# KiCad board panel.kicad_pcb (continued)
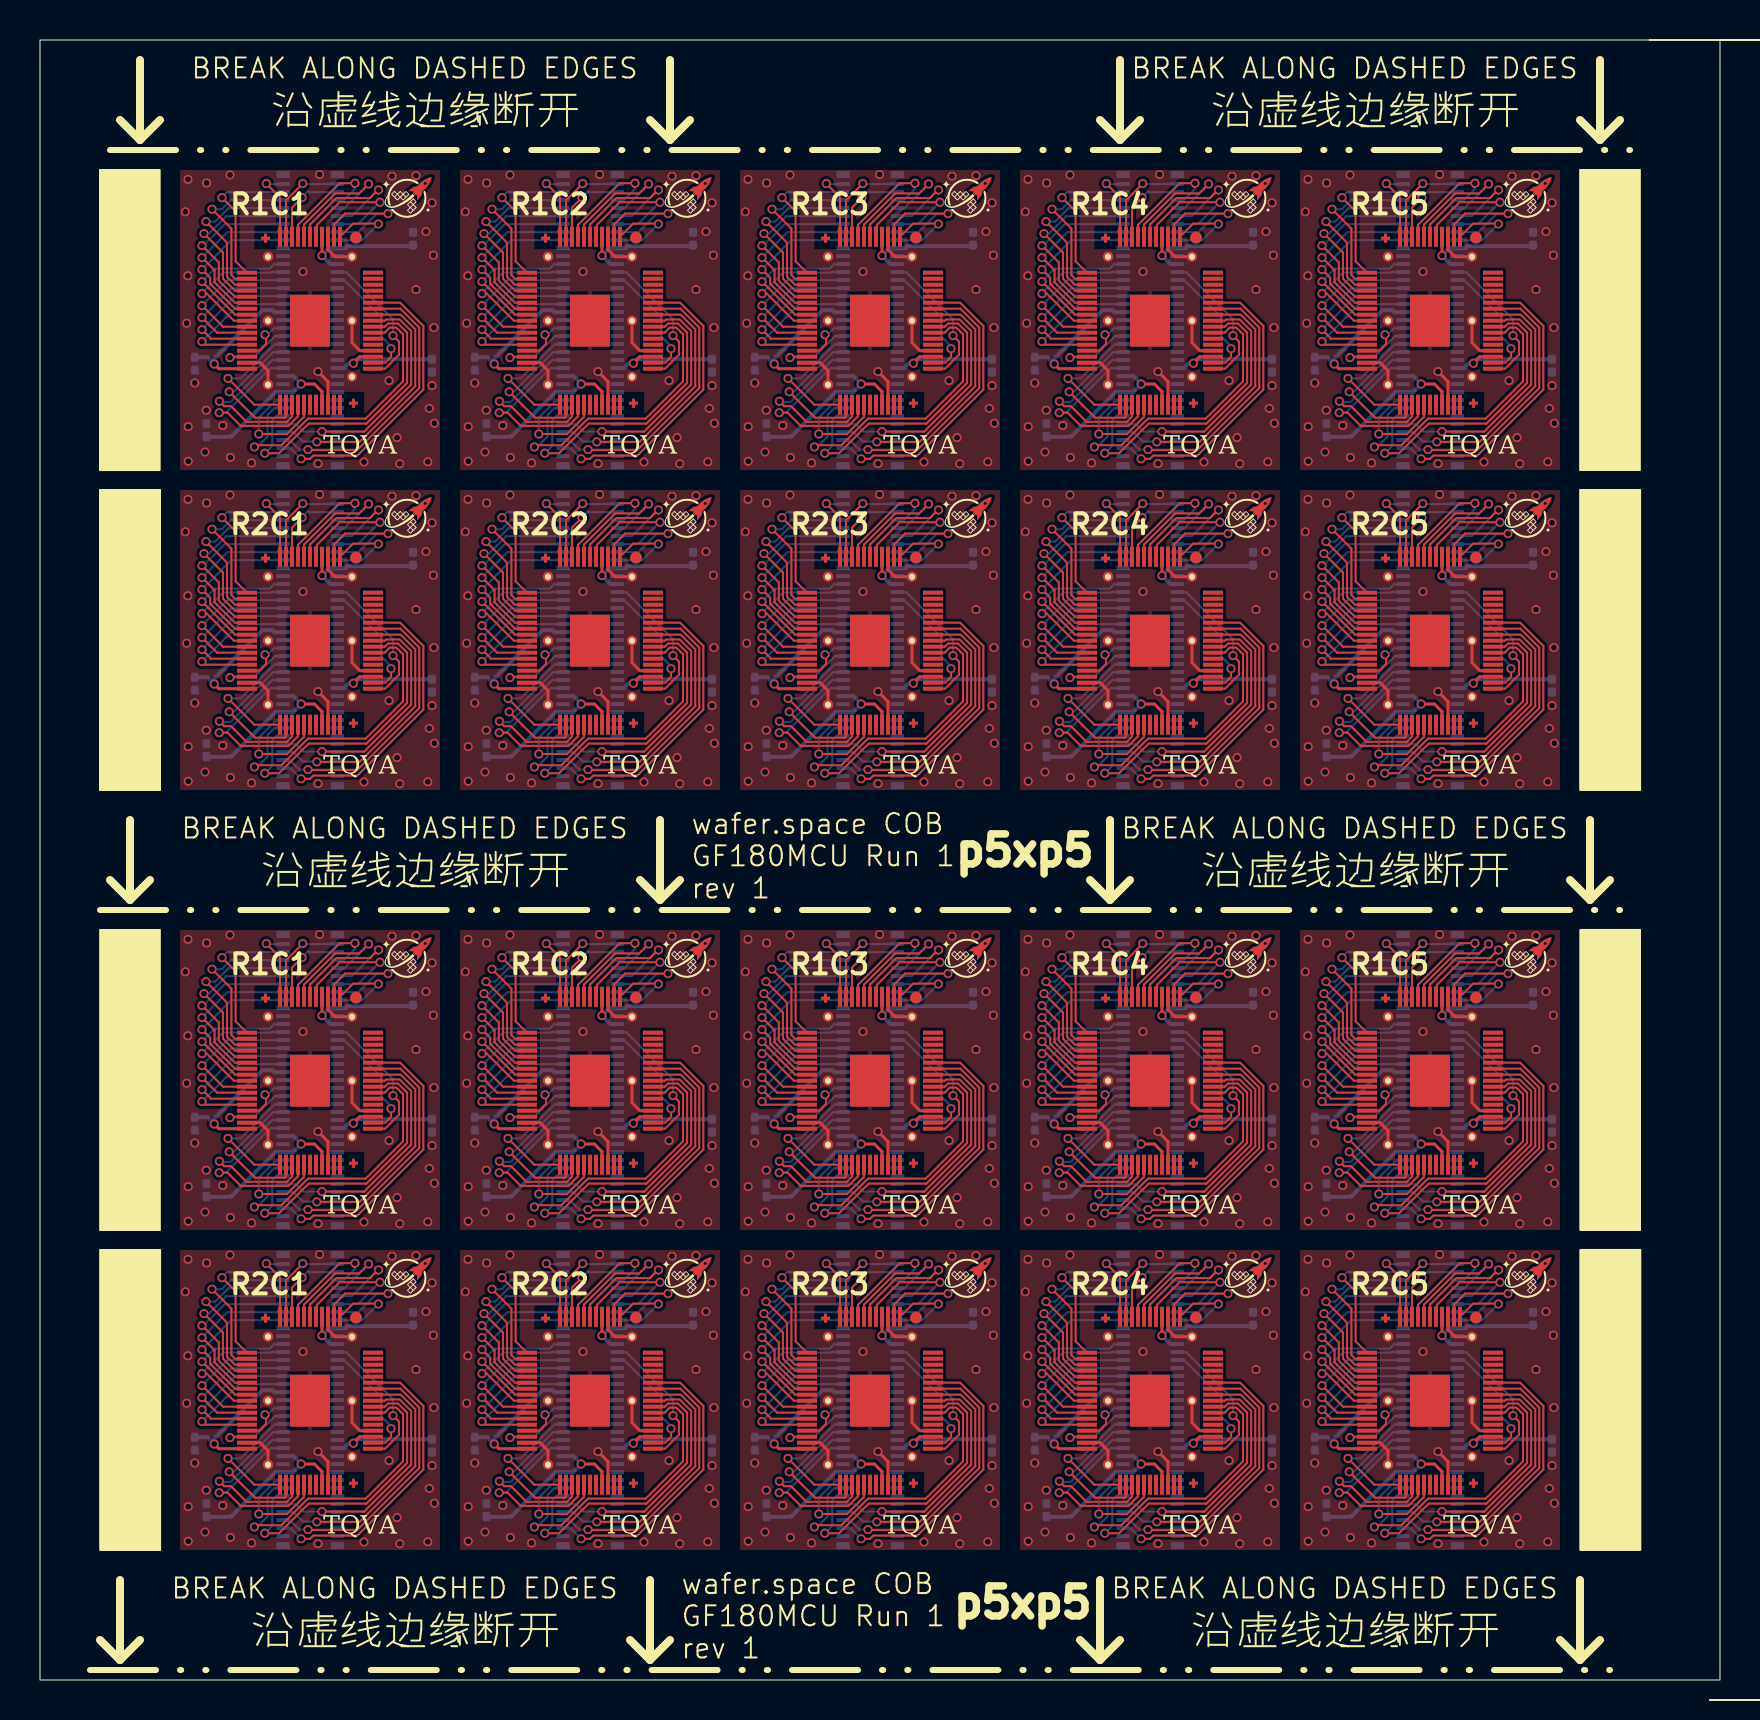
[diagram p0: board, top side]
## Routing (per net, layer and track width the routed paths; a pad name or vN(x,y) marks a point on that pad's centre or on a via; arc(x,y) is an arc through that point) (continued)
/bidir_23: length 150.4
  Top w0.1: v1(9.46,48.41) 10.76,47.11 12.25,47.11 12.3,47.16 U112.30 ; v1(65.46,64.41) 66.76,63.11 68.25,63.11 68.3,63.16 U110#2.30 ; v1(9.46,10.41) 10.76,9.11 12.25,9.11 12.3,9.16 U112#2.30 ; U120.30 68.3,47.16 68.25,47.11 66.76,47.11 v1(65.46,48.41) ; U108#2.30 54.3,63.16 54.25,63.11 52.76,63.11 v1(51.46,64.41) ; U116.30 40.3,47.16 40.25,47.11 38.76,47.11 v1(37.46,48.41) ; v1(23.46,64.41) 24.76,63.11 26.25,63.11 26.3,63.16 U104.30 ; U116#2.30 40.3,9.16 40.25,9.11 38.76,9.11 v1(37.46,10.41) ; U106.30 40.3,25.16 40.25,25.11 38.76,25.11 v1(37.46,26.41) ; v1(51.46,26.41) 52.76,25.11 54.25,25.11 54.3,25.16 U108.30 ; U114#2.30 26.3,47.16 26.25,47.11 24.76,47.11 v1(23.46,48.41) ; U104#2.30 26.3,25.16 26.25,25.11 24.76,25.11 v1(23.46,26.41) ; v1(23.46,10.41) 24.76,9.11 26.25,9.11 26.3,9.16 U114.30 ; v1(51.46,48.41) 52.76,47.11 54.25,47.11 54.3,47.16 U118.30 ; v1(51.46,10.41) 52.76,9.11 54.25,9.11 54.3,9.16 U118#2.30 ; v1(65.46,10.41) 66.76,9.11 68.25,9.11 68.3,9.16 U120#2.30 ; U102.30 12.3,63.16 12.25,63.11 10.76,63.11 v1(9.46,64.41) ; v1(9.46,26.41) 10.76,25.11 12.25,25.11 12.3,25.16 U102#2.30 ; v1(37.46,64.41) 38.76,63.11 40.25,63.11 40.3,63.16 U106#2.30 ; v1(65.46,26.41) 66.76,25.11 68.25,25.11 68.3,25.16 U110.30
  Bottom w0.1: 68.16,12.39 67.66,12.39 65.68,10.41 v1(65.46,10.41) ; v1(9.46,48.41) 9.68,48.41 11.66,50.39 12.15,50.39 ; v1(51.46,26.41) 51.68,26.41 53.66,28.39 54.15,28.39 ; 40.15,50.39 39.66,50.39 37.68,48.41 v1(37.46,48.41) ; 68.16,50.39 67.66,50.39 65.68,48.41 v1(65.46,48.41) ; v1(65.46,26.41) 65.68,26.41 67.66,28.39 68.16,28.39 ; v1(37.46,26.41) 37.68,26.41 39.66,28.39 40.15,28.39 ; v1(51.46,64.41) 51.68,64.41 53.66,66.4 U107.49 ; 12.15,12.39 11.66,12.39 9.68,10.41 v1(9.46,10.41) ; 54.15,12.39 53.66,12.39 51.68,10.41 v1(51.46,10.41) ; v1(37.46,10.41) 37.68,10.41 39.66,12.39 40.15,12.39 ; 26.15,12.39 25.66,12.39 23.68,10.41 v1(23.46,10.41) ; v1(65.46,64.41) 65.68,64.41 67.66,66.4 U109.49 ; v1(23.46,26.41) 23.68,26.41 25.66,28.39 26.15,28.39 ; U101.49 11.66,66.4 9.68,64.41 v1(9.46,64.41) ; v1(9.46,26.41) 9.68,26.41 11.66,28.39 12.15,28.39 ; v1(51.46,48.41) 51.68,48.41 53.66,50.39 54.15,50.39 ; U103.49 25.66,66.4 23.68,64.41 v1(23.46,64.41) ; 26.15,50.39 25.66,50.39 23.68,48.41 v1(23.46,48.41) ; v1(37.46,64.41) 37.68,64.41 39.66,66.4 U105.49
/bidir_24: length 176.6
  Top w0.1: U118#2.31 54.6,9.17 54.34,8.91 52.33,8.91 51.55,9.69 51.22,9.69 v1(50.97,9.94) ; v1(8.97,63.94) 9.22,63.69 9.55,63.69 10.33,62.91 12.34,62.91 12.6,63.17 U102.31 ; v1(8.97,25.94) 9.22,25.69 9.55,25.69 10.33,24.91 12.34,24.91 12.6,25.17 U102#2.31 ; U114.31 26.6,9.17 26.34,8.91 24.33,8.91 23.55,9.69 23.22,9.69 v1(22.97,9.94) ; v1(64.97,25.94) 65.22,25.69 65.55,25.69 66.33,24.91 68.34,24.91 68.6,25.17 U110.31 ; v1(50.97,63.94) 51.22,63.69 51.55,63.69 52.33,62.91 54.34,62.91 54.6,63.17 U108#2.31 ; v1(8.97,47.94) 9.22,47.69 9.55,47.69 10.33,46.91 12.34,46.91 12.6,47.17 U112.31 ; U116#2.31 40.6,9.17 40.34,8.91 38.33,8.91 37.55,9.69 37.22,9.69 v1(36.97,9.94) ; v1(50.97,47.94) 51.22,47.69 51.55,47.69 52.33,46.91 54.34,46.91 54.6,47.17 U118.31 ; v1(36.97,63.94) 37.22,63.69 37.55,63.69 38.33,62.91 40.34,62.91 40.6,63.17 U106#2.31 ; U106.31 40.6,25.17 40.34,24.91 38.33,24.91 37.55,25.69 37.22,25.69 v1(36.97,25.94) ; v1(22.97,63.94) 23.22,63.69 23.55,63.69 24.33,62.91 26.34,62.91 26.6,63.17 U104.31 ; v1(22.97,25.94) 23.22,25.69 23.55,25.69 24.33,24.91 26.34,24.91 26.6,25.17 U104#2.31 ; v1(36.97,47.94) 37.22,47.69 37.55,47.69 38.33,46.91 40.34,46.91 40.6,47.17 U116.31 ; U110#2.31 68.6,63.17 68.34,62.91 66.33,62.91 65.55,63.69 65.22,63.69 v1(64.97,63.94) ; v1(64.97,9.94) 65.22,9.69 65.55,9.69 66.33,8.91 68.34,8.91 68.6,9.17 U120#2.31 ; v1(22.97,47.94) 23.22,47.69 23.55,47.69 24.33,46.91 26.34,46.91 26.6,47.17 U114#2.31 ; U108.31 54.6,25.17 54.34,24.91 52.33,24.91 51.55,25.69 51.22,25.69 v1(50.97,25.94) ; U120.31 68.6,47.17 68.34,46.91 66.33,46.91 65.55,47.69 65.22,47.69 v1(64.97,47.94) ; U112#2.31 12.6,9.17 12.34,8.91 10.33,8.91 9.55,9.69 9.22,9.69 v1(8.97,9.94)
  Bottom w0.1: v1(50.97,63.94) 51.01,63.9 51.52,63.9 53.62,66 U107.48 ; U109#2.48 67.62,28 65.52,25.9 65.01,25.9 v1(64.97,25.94) ; U103#2.48 25.62,28 23.52,25.9 23.01,25.9 v1(22.97,25.94) ; v1(36.97,9.94) 37.01,9.9 37.52,9.9 39.62,12 U115#2.48 ; v1(36.97,25.94) 37.01,25.9 37.52,25.9 39.62,28 U105#2.48 ; v1(36.97,47.94) 37.01,47.9 37.52,47.9 39.62,50 U115.48 ; v1(64.97,9.94) 65.01,9.9 65.52,9.9 67.62,12 U119#2.48 ; v1(64.97,63.94) 65.01,63.9 65.52,63.9 67.62,66 U109.48 ; U119.48 67.62,50 65.52,47.9 65.01,47.9 v1(64.97,47.94) ; v1(8.97,9.94) 9.01,9.9 9.52,9.9 11.62,12 U111#2.48 ; U107#2.48 53.62,28 51.52,25.9 51.01,25.9 v1(50.97,25.94) ; v1(8.97,25.94) 9.01,25.9 9.52,25.9 11.62,28 U101#2.48 ; U111.48 11.62,50 9.52,47.9 9.01,47.9 v1(8.97,47.94) ; U117#2.48 53.62,50 51.52,47.9 51.01,47.9 v1(50.97,47.94) ; v1(22.97,9.94) 23.01,9.9 23.52,9.9 25.62,12 U113.48 ; U113#2.48 25.62,50 23.52,47.9 23.01,47.9 v1(22.97,47.94) ; v1(22.97,63.94) 23.01,63.9 23.52,63.9 25.62,66 U103.48 ; U117.48 53.62,12 51.52,9.9 51.01,9.9 v1(50.97,9.94) ; v1(36.97,63.94) 37.01,63.9 37.52,63.9 39.62,66 U105.48 ; U101.48 11.62,66 9.52,63.9 9.01,63.9 v1(8.97,63.94)
/bidir_25: length 182.3
  Top w0.1: v1(36.96,25.37) 37.37,25.37 38.03,24.71 40.42,24.71 40.9,25.18 U106.32 ; U108#2.32 54.9,63.18 54.42,62.71 52.03,62.71 51.37,63.37 v1(50.96,63.37) ; U110#2.32 68.9,63.18 68.42,62.71 66.03,62.71 65.37,63.37 v1(64.96,63.37) ; U112.32 12.9,47.18 12.42,46.71 10.03,46.71 9.37,47.37 v1(8.96,47.37) ; U112#2.32 12.9,9.18 12.42,8.71 10.03,8.71 9.37,9.37 v1(8.96,9.37) ; U114#2.32 26.9,47.18 26.42,46.71 24.03,46.71 23.37,47.37 v1(22.96,47.37) ; U104#2.32 26.9,25.18 26.42,24.71 24.03,24.71 23.37,25.37 v1(22.96,25.37) ; U102#2.32 12.9,25.18 12.42,24.71 10.03,24.71 9.37,25.37 v1(8.96,25.37) ; v1(36.96,9.37) 37.37,9.37 38.03,8.71 40.42,8.71 40.9,9.18 U116#2.32 ; U116.32 40.9,47.18 40.42,46.71 38.03,46.71 37.37,47.37 v1(36.96,47.37) ; U108.32 54.9,25.18 54.42,24.71 52.03,24.71 51.37,25.37 v1(50.96,25.37) ; U118#2.32 54.9,9.18 54.42,8.71 52.03,8.71 51.37,9.37 v1(50.96,9.37) ; U120#2.32 68.9,9.18 68.42,8.71 66.03,8.71 65.37,9.37 v1(64.96,9.37) ; v1(64.96,25.37) 65.37,25.37 66.03,24.71 68.42,24.71 68.9,25.18 U110.32 ; v1(36.96,63.37) 37.37,63.37 38.03,62.71 40.42,62.71 40.9,63.18 U106#2.32 ; U114.32 26.9,9.18 26.42,8.71 24.03,8.71 23.37,9.37 v1(22.96,9.37) ; v1(8.96,63.37) 9.37,63.37 10.03,62.71 12.42,62.71 12.9,63.18 U102.32 ; U120.32 68.9,47.18 68.42,46.71 66.03,46.71 65.37,47.37 v1(64.96,47.37) ; U104.32 26.9,63.18 26.42,62.71 24.03,62.71 23.37,63.37 v1(22.96,63.37) ; U118.32 54.9,47.18 54.42,46.71 52.03,46.71 51.37,47.37 v1(50.96,47.37)
  Bottom w0.1: U101.47 11.52,65.59 9.3,63.37 v1(8.96,63.37) ; v1(50.96,47.37) 51.3,47.37 53.52,49.59 U117#2.47 ; v1(22.96,47.37) 23.3,47.37 25.52,49.59 U113#2.47 ; U119#2.47 67.53,11.59 65.3,9.37 v1(64.96,9.37) ; v1(8.96,47.37) 9.3,47.37 11.52,49.59 U111.47 ; v1(64.96,25.37) 65.3,25.37 67.53,27.59 U109#2.47 ; v1(50.96,25.37) 51.3,25.37 53.52,27.59 U107#2.47 ; v1(64.96,47.37) 65.3,47.37 67.53,49.59 U119.47 ; v1(36.96,25.37) 37.3,25.37 39.52,27.59 U105#2.47 ; v1(8.96,25.37) 9.3,25.37 11.52,27.59 U101#2.47 ; v1(22.96,63.37) 23.3,63.37 25.52,65.59 U103.47 ; U115#2.47 39.52,11.59 37.3,9.37 v1(36.96,9.37) ; U109.47 67.53,65.59 65.3,63.37 v1(64.96,63.37) ; U105.47 39.52,65.59 37.3,63.37 v1(36.96,63.37) ; U113.47 25.52,11.59 23.3,9.37 v1(22.96,9.37) ; U117.47 53.52,11.59 51.3,9.37 v1(50.96,9.37) ; U103#2.47 25.52,27.59 23.3,25.37 v1(22.96,25.37) ; v1(8.96,9.37) 9.3,9.37 11.52,11.59 U111#2.47 ; v1(50.96,63.37) 51.3,63.37 53.52,65.59 U107.47 ; v1(36.96,47.37) 37.3,47.37 39.52,49.59 U115.47
/bidir_26: length 112.3
  Top w0.1: U106#2.33 41.2,63.16 40.34,62.3 v1(38.94,62.3) ; U114#2.33 27.2,47.16 26.34,46.3 v1(24.94,46.3) ; U102.33 13.2,63.16 12.34,62.3 v1(10.94,62.3) ; v1(24.94,62.3) 26.34,62.3 27.2,63.16 U104.33 ; U110#2.33 69.2,63.16 68.34,62.3 v1(66.94,62.3) ; v1(24.94,24.3) 26.34,24.3 27.2,25.16 U104#2.33 ; v1(38.94,8.3) 40.34,8.3 41.2,9.16 U116#2.33 ; U108.33 55.2,25.16 54.34,24.3 v1(52.94,24.3) ; U118#2.33 55.2,9.16 54.34,8.3 v1(52.94,8.3) ; U120#2.33 69.2,9.16 68.34,8.3 v1(66.94,8.3) ; U106.33 41.2,25.16 40.34,24.3 v1(38.94,24.3) ; v1(10.94,8.3) 12.34,8.3 13.2,9.16 U112#2.33 ; v1(66.94,46.3) 68.34,46.3 69.2,47.16 U120.33 ; U118.33 55.2,47.16 54.34,46.3 v1(52.94,46.3) ; v1(10.94,46.3) 12.34,46.3 13.2,47.16 U112.33 ; v1(52.94,62.3) 54.34,62.3 55.2,63.16 U108#2.33 ; v1(24.94,8.3) 26.34,8.3 27.2,9.16 U114.33 ; U102#2.33 13.2,25.16 12.34,24.3 v1(10.94,24.3) ; v1(66.94,24.3) 68.34,24.3 69.2,25.16 U110.33 ; U116.33 41.2,47.16 40.34,46.3 v1(38.94,46.3)
  Bottom w0.1: v1(10.94,24.3) 10.94,25.12 11.82,26 U101#2.43 ; U115#2.43 39.82,10 38.94,9.12 v1(38.94,8.3) ; v1(24.94,62.3) 24.94,63.12 25.82,63.99 U103.43 ; U105#2.43 39.82,26 38.94,25.12 v1(38.94,24.3) ; U101.43 11.82,63.99 10.94,63.12 v1(10.94,62.3) ; U109#2.43 67.82,26 66.94,25.12 v1(66.94,24.3) ; v1(24.94,8.3) 24.94,9.12 25.82,10 U113.43 ; v1(38.94,62.3) 38.94,63.12 39.82,63.99 U105.43 ; v1(52.94,46.3) 52.94,47.12 53.82,48 U117#2.43 ; v1(66.94,62.3) 66.94,63.12 67.82,63.99 U109.43 ; U115.43 39.82,48 38.94,47.12 v1(38.94,46.3) ; v1(10.94,8.3) 10.94,9.12 11.82,10 U111#2.43 ; v1(52.94,62.3) 52.94,63.12 53.82,63.99 U107.43 ; U113#2.43 25.82,48 24.94,47.12 v1(24.94,46.3) ; U111.43 11.82,48 10.94,47.12 v1(10.94,46.3) ; U119#2.43 67.82,10 66.94,9.12 v1(66.94,8.3) ; v1(52.94,24.3) 52.94,25.12 53.82,26 U107#2.43 ; U119.43 67.82,48 66.94,47.12 v1(66.94,46.3) ; U117.43 53.82,10 52.94,9.12 v1(52.94,8.3) ; U103#2.43 25.82,26 24.94,25.12 v1(24.94,24.3)
/bidir_27: length 315.1
  Top w0.1: v1(24.72,7.65) 24.81,7.74 26.07,7.74 27.4,9.07 30.28,9.07 32.15,10.94 32.15,13.28 31.82,13.62 31.48,13.62 31.23,13.36 U114.46 ; v1(10.72,45.65) 10.81,45.74 12.07,45.74 13.4,47.07 16.28,47.07 18.15,48.94 18.15,51.28 17.82,51.62 17.48,51.62 17.23,51.36 U112.46 ; U106.46 45.23,29.36 45.48,29.62 45.82,29.62 46.15,29.28 46.15,26.94 44.28,25.07 41.4,25.07 40.07,23.74 38.81,23.74 v1(38.72,23.65) ; U120.46 73.23,51.36 73.48,51.62 73.82,51.62 74.15,51.28 74.15,48.94 72.28,47.07 69.4,47.07 68.07,45.74 66.81,45.74 v1(66.72,45.65) ; v1(24.72,23.65) 24.81,23.74 26.07,23.74 27.4,25.07 30.28,25.07 32.15,26.94 32.15,29.28 31.82,29.62 31.48,29.62 31.23,29.36 U104#2.46 ; v1(10.72,23.65) 10.81,23.74 12.07,23.74 13.4,25.07 16.28,25.07 18.15,26.94 18.15,29.28 17.82,29.62 17.48,29.62 17.23,29.36 U102#2.46 ; U116#2.46 45.23,13.36 45.48,13.62 45.82,13.62 46.15,13.28 46.15,10.94 44.28,9.07 41.4,9.07 40.07,7.74 38.81,7.74 v1(38.72,7.65) ; U106#2.46 45.23,67.37 45.48,67.62 45.82,67.62 46.15,67.28 46.15,64.94 44.28,63.07 41.4,63.07 40.07,61.74 38.81,61.74 v1(38.72,61.65) ; U118#2.46 59.23,13.36 59.48,13.62 59.82,13.62 60.15,13.28 60.15,10.94 58.28,9.07 55.4,9.07 54.07,7.74 52.81,7.74 v1(52.72,7.65) ; U110#2.46 73.23,67.37 73.48,67.62 73.82,67.62 74.15,67.28 74.15,64.94 72.28,63.07 69.4,63.07 68.07,61.74 66.81,61.74 v1(66.72,61.65) ; v1(24.72,45.65) 24.81,45.74 26.07,45.74 27.4,47.07 30.28,47.07 32.15,48.94 32.15,51.28 31.82,51.62 31.48,51.62 31.23,51.36 U114#2.46 ; v1(52.72,23.65) 52.81,23.74 54.07,23.74 55.4,25.07 58.28,25.07 60.15,26.94 60.15,29.28 59.82,29.62 59.48,29.62 59.23,29.36 U108.46 ; U120#2.46 73.23,13.36 73.48,13.62 73.82,13.62 74.15,13.28 74.15,10.94 72.28,9.07 69.4,9.07 68.07,7.74 66.81,7.74 v1(66.72,7.65) ; v1(10.72,7.65) 10.81,7.74 12.07,7.74 13.4,9.07 16.28,9.07 18.15,10.94 18.15,13.28 17.82,13.62 17.48,13.62 17.23,13.36 U112#2.46 ; v1(52.72,61.65) 52.81,61.74 54.07,61.74 55.4,63.07 58.28,63.07 60.15,64.94 60.15,67.28 59.82,67.62 59.48,67.62 59.23,67.37 U108#2.46 ; v1(66.72,23.65) 66.81,23.74 68.07,23.74 69.4,25.07 72.28,25.07 74.15,26.94 74.15,29.28 73.82,29.62 73.48,29.62 73.23,29.36 U110.46 ; U118.46 59.23,51.36 59.48,51.62 59.82,51.62 60.15,51.28 60.15,48.94 58.28,47.07 55.4,47.07 54.07,45.74 52.81,45.74 v1(52.72,45.65) ; v1(24.72,61.65) 24.81,61.74 26.07,61.74 27.4,63.07 30.28,63.07 32.15,64.94 32.15,67.28 31.82,67.62 31.48,67.62 31.23,67.37 U104.46 ; v1(10.72,61.65) 10.81,61.74 12.07,61.74 13.4,63.07 16.28,63.07 18.15,64.94 18.15,67.28 17.82,67.62 17.48,67.62 17.23,67.37 U102.46 ; U116.46 45.23,51.36 45.48,51.62 45.82,51.62 46.15,51.28 46.15,48.94 44.28,47.07 41.4,47.07 40.07,45.74 38.81,45.74 v1(38.72,45.65)
  Bottom w0.1: U109#2.42 67.72,25.59 67.38,25.25 67.38,24.17 66.94,23.73 66.8,23.73 v1(66.72,23.65) ; v1(10.72,23.65) 10.8,23.73 10.94,23.73 11.38,24.17 11.38,25.25 11.73,25.59 U101#2.42 ; v1(52.72,45.65) 52.8,45.73 52.94,45.73 53.38,46.17 53.38,47.25 53.73,47.59 U117#2.42 ; U111#2.42 11.73,9.59 11.38,9.25 11.38,8.17 10.94,7.73 10.8,7.73 v1(10.72,7.65) ; v1(38.72,23.65) 38.8,23.73 38.94,23.73 39.38,24.17 39.38,25.25 39.73,25.59 U105#2.42 ; U103.42 25.73,63.59 25.38,63.25 25.38,62.17 24.94,61.73 24.8,61.73 v1(24.72,61.65) ; v1(66.72,45.65) 66.8,45.73 66.94,45.73 67.38,46.17 67.38,47.25 67.72,47.59 U119.42 ; U111.42 11.73,47.59 11.38,47.25 11.38,46.17 10.94,45.73 10.8,45.73 v1(10.72,45.65) ; v1(38.72,7.65) 38.8,7.73 38.94,7.73 39.38,8.17 39.38,9.25 39.73,9.59 U115#2.42 ; v1(24.72,45.65) 24.8,45.73 24.94,45.73 25.38,46.17 25.38,47.25 25.73,47.59 U113#2.42 ; v1(66.72,61.65) 66.8,61.73 66.94,61.73 67.38,62.17 67.38,63.25 67.72,63.59 U109.42 ; U117.42 53.73,9.59 53.38,9.25 53.38,8.17 52.94,7.73 52.8,7.73 v1(52.72,7.65) ; v1(52.72,61.65) 52.8,61.73 52.94,61.73 53.38,62.17 53.38,63.25 53.73,63.59 U107.42 ; U119#2.42 67.72,9.59 67.38,9.25 67.38,8.17 66.94,7.73 66.8,7.73 v1(66.72,7.65) ; U113.42 25.73,9.59 25.38,9.25 25.38,8.17 24.94,7.73 24.8,7.73 v1(24.72,7.65) ; U115.42 39.73,47.59 39.38,47.25 39.38,46.17 38.94,45.73 38.8,45.73 v1(38.72,45.65) ; v1(52.72,23.65) 52.8,23.73 52.94,23.73 53.38,24.17 53.38,25.25 53.73,25.59 U107#2.42 ; v1(38.72,61.65) 38.8,61.73 38.94,61.73 39.38,62.17 39.38,63.25 39.73,63.59 U105.42 ; U103#2.42 25.73,25.59 25.38,25.25 25.38,24.17 24.94,23.73 24.8,23.73 v1(24.72,23.65) ; v1(10.72,61.65) 10.8,61.73 10.94,61.73 11.38,62.17 11.38,63.25 11.73,63.59 U101.42
/bidir_28: length 309.5
  Top w0.1: U108.47 59.24,29.67 59.4,29.82 59.9,29.82 60.36,29.37 60.36,26.86 58.32,24.82 55.44,24.82 53.96,23.34 v1(53.24,23.34) ; v1(39.24,61.34) 39.96,61.34 41.44,62.82 44.32,62.82 46.36,64.86 46.36,67.37 45.9,67.82 45.4,67.82 45.24,67.66 U106#2.47 ; v1(53.24,7.34) 53.96,7.34 55.44,8.82 58.32,8.82 60.36,10.86 60.36,13.37 59.9,13.82 59.4,13.82 59.24,13.67 U118#2.47 ; U120#2.47 73.24,13.67 73.4,13.82 73.9,13.82 74.36,13.37 74.36,10.86 72.32,8.82 69.44,8.82 67.96,7.34 v1(67.24,7.34) ; U110.47 73.24,29.67 73.4,29.82 73.9,29.82 74.36,29.37 74.36,26.86 72.32,24.82 69.44,24.82 67.96,23.34 v1(67.24,23.34) ; U116.47 45.24,51.67 45.4,51.82 45.9,51.82 46.36,51.37 46.36,48.86 44.32,46.82 41.44,46.82 39.96,45.34 v1(39.24,45.34) ; v1(11.24,23.34) 11.96,23.34 13.44,24.82 16.32,24.82 18.36,26.86 18.36,29.37 17.9,29.82 17.4,29.82 17.24,29.67 U102#2.47 ; U110#2.47 73.24,67.66 73.4,67.82 73.9,67.82 74.36,67.37 74.36,64.86 72.32,62.82 69.44,62.82 67.96,61.34 v1(67.24,61.34) ; v1(39.24,7.34) 39.96,7.34 41.44,8.82 44.32,8.82 46.36,10.86 46.36,13.37 45.9,13.82 45.4,13.82 45.24,13.67 U116#2.47 ; U120.47 73.24,51.67 73.4,51.82 73.9,51.82 74.36,51.37 74.36,48.86 72.32,46.82 69.44,46.82 67.96,45.34 v1(67.24,45.34) ; v1(25.24,7.34) 25.96,7.34 27.44,8.82 30.32,8.82 32.36,10.86 32.36,13.37 31.9,13.82 31.4,13.82 31.24,13.67 U114.47 ; v1(25.24,23.34) 25.96,23.34 27.44,24.82 30.32,24.82 32.36,26.86 32.36,29.37 31.9,29.82 31.4,29.82 31.24,29.67 U104#2.47 ; U108#2.47 59.24,67.66 59.4,67.82 59.9,67.82 60.36,67.37 60.36,64.86 58.32,62.82 55.44,62.82 53.96,61.34 v1(53.24,61.34) ; U104.47 31.24,67.66 31.4,67.82 31.9,67.82 32.36,67.37 32.36,64.86 30.32,62.82 27.44,62.82 25.96,61.34 v1(25.24,61.34) ; v1(11.24,61.34) 11.96,61.34 13.44,62.82 16.32,62.82 18.36,64.86 18.36,67.37 17.9,67.82 17.4,67.82 17.24,67.66 U102.47 ; U114#2.47 31.24,51.67 31.4,51.82 31.9,51.82 32.36,51.37 32.36,48.86 30.32,46.82 27.44,46.82 25.96,45.34 v1(25.24,45.34) ; U118.47 59.24,51.67 59.4,51.82 59.9,51.82 60.36,51.37 60.36,48.86 58.32,46.82 55.44,46.82 53.96,45.34 v1(53.24,45.34) ; U106.47 45.24,29.67 45.4,29.82 45.9,29.82 46.36,29.37 46.36,26.86 44.32,24.82 41.44,24.82 39.96,23.34 v1(39.24,23.34) ; U112#2.47 17.24,13.67 17.4,13.82 17.9,13.82 18.36,13.37 18.36,10.86 16.32,8.82 13.44,8.82 11.96,7.34 v1(11.24,7.34) ; v1(11.24,45.34) 11.96,45.34 13.44,46.82 16.32,46.82 18.36,48.86 18.36,51.37 17.9,51.82 17.4,51.82 17.24,51.67 U112.47
  Bottom w0.1: v1(39.24,45.34) 39.61,45.71 39.61,46.99 39.82,47.2 U115.41 ; U109#2.41 67.82,25.2 67.61,24.99 67.61,23.71 v1(67.24,23.34) ; v1(11.24,61.34) 11.61,61.71 11.61,62.99 11.82,63.2 U101.41 ; v1(39.24,7.34) 39.61,7.71 39.61,8.99 39.82,9.2 U115#2.41 ; U105#2.41 39.82,25.2 39.61,24.99 39.61,23.71 v1(39.24,23.34) ; v1(25.24,23.34) 25.61,23.71 25.61,24.99 25.82,25.2 U103#2.41 ; U111.41 11.82,47.2 11.61,46.99 11.61,45.71 v1(11.24,45.34) ; v1(67.24,7.34) 67.61,7.71 67.61,8.99 67.82,9.2 U119#2.41 ; U111#2.41 11.82,9.2 11.61,8.99 11.61,7.71 v1(11.24,7.34) ; v1(53.24,45.34) 53.61,45.71 53.61,46.99 53.82,47.2 U117#2.41 ; U113.41 25.82,9.2 25.61,8.99 25.61,7.71 v1(25.24,7.34) ; U119.41 67.82,47.2 67.61,46.99 67.61,45.71 v1(67.24,45.34) ; U117.41 53.82,9.2 53.61,8.99 53.61,7.71 v1(53.24,7.34) ; U103.41 25.82,63.2 25.61,62.99 25.61,61.71 v1(25.24,61.34) ; v1(11.24,23.34) 11.61,23.71 11.61,24.99 11.82,25.2 U101#2.41 ; U105.41 39.82,63.2 39.61,62.99 39.61,61.71 v1(39.24,61.34) ; U107#2.41 53.82,25.2 53.61,24.99 53.61,23.71 v1(53.24,23.34) ; U107.41 53.82,63.2 53.61,62.99 53.61,61.71 v1(53.24,61.34) ; U113#2.41 25.82,47.2 25.61,46.99 25.61,45.71 v1(25.24,45.34) ; v1(67.24,61.34) 67.61,61.71 67.61,62.99 67.82,63.2 U109.41
/bidir_29: length 247.7
  Top w0.1: v1(56.1,8.42) 58.21,8.42 60.56,10.77 60.56,13.45 59.98,14.03 59.31,14.03 59.25,13.97 U118#2.48 ; v1(56.1,24.42) 58.21,24.42 60.56,26.77 60.56,29.45 59.98,30.03 59.31,30.03 59.25,29.97 U108.48 ; U106#2.48 45.25,67.97 45.31,68.03 45.98,68.03 46.56,67.45 46.56,64.77 44.21,62.42 v1(42.1,62.42) ; v1(14.1,62.42) 16.21,62.42 18.56,64.77 18.56,67.45 17.98,68.03 17.31,68.03 17.25,67.97 U102.48 ; v1(28.1,46.42) 30.21,46.42 32.56,48.77 32.56,51.45 31.98,52.03 31.31,52.03 31.25,51.97 U114#2.48 ; U120.48 73.25,51.97 73.31,52.03 73.98,52.03 74.56,51.45 74.56,48.77 72.21,46.42 v1(70.1,46.42) ; U116#2.48 45.25,13.97 45.31,14.03 45.98,14.03 46.56,13.45 46.56,10.77 44.21,8.42 v1(42.1,8.42) ; U104.48 31.25,67.97 31.31,68.03 31.98,68.03 32.56,67.45 32.56,64.77 30.21,62.42 v1(28.1,62.42) ; U116.48 45.25,51.97 45.31,52.03 45.98,52.03 46.56,51.45 46.56,48.77 44.21,46.42 v1(42.1,46.42) ; U112.48 17.25,51.97 17.31,52.03 17.98,52.03 18.56,51.45 18.56,48.77 16.21,46.42 v1(14.1,46.42) ; U106.48 45.25,29.97 45.31,30.03 45.98,30.03 46.56,29.45 46.56,26.77 44.21,24.42 v1(42.1,24.42) ; U120#2.48 73.25,13.97 73.31,14.03 73.98,14.03 74.56,13.45 74.56,10.77 72.21,8.42 v1(70.1,8.42) ; v1(56.1,46.42) 58.21,46.42 60.56,48.77 60.56,51.45 59.98,52.03 59.31,52.03 59.25,51.97 U118.48 ; U110.48 73.25,29.97 73.31,30.03 73.98,30.03 74.56,29.45 74.56,26.77 72.21,24.42 v1(70.1,24.42) ; v1(28.1,24.42) 30.21,24.42 32.56,26.77 32.56,29.45 31.98,30.03 31.31,30.03 31.25,29.97 U104#2.48 ; v1(14.1,24.42) 16.21,24.42 18.56,26.77 18.56,29.45 17.98,30.03 17.31,30.03 17.25,29.97 U102#2.48 ; v1(14.1,8.42) 16.21,8.42 18.56,10.77 18.56,13.45 17.98,14.03 17.31,14.03 17.25,13.97 U112#2.48 ; v1(56.1,62.42) 58.21,62.42 60.56,64.77 60.56,67.45 59.98,68.03 59.31,68.03 59.25,67.97 U108#2.48 ; v1(70.1,62.42) 72.21,62.42 74.56,64.77 74.56,67.45 73.98,68.03 73.31,68.03 73.25,67.97 U110#2.48 ; U114.48 31.25,13.97 31.31,14.03 31.98,14.03 32.56,13.45 32.56,10.77 30.21,8.42 v1(28.1,8.42)